# KiCad board traffic_paradise.kicad_pcb
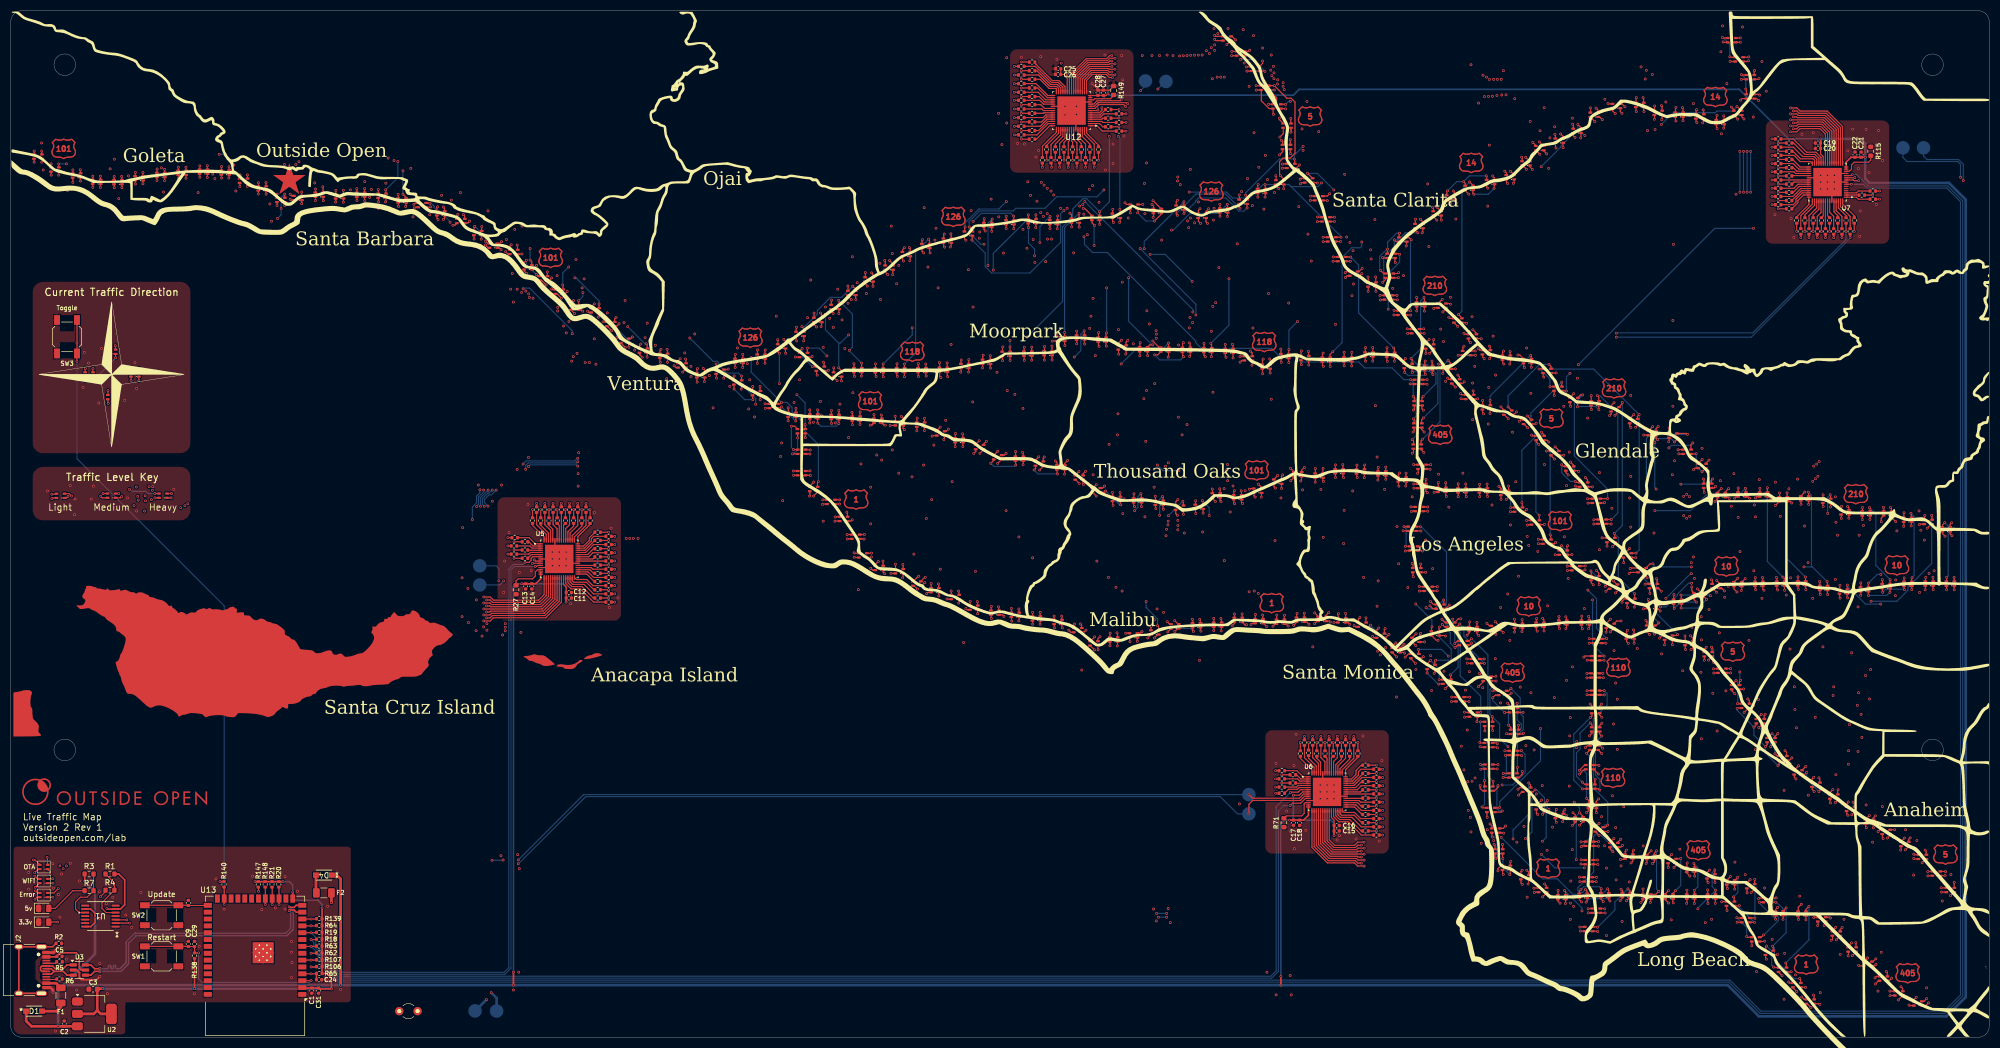
[diagram p0: board, top side]
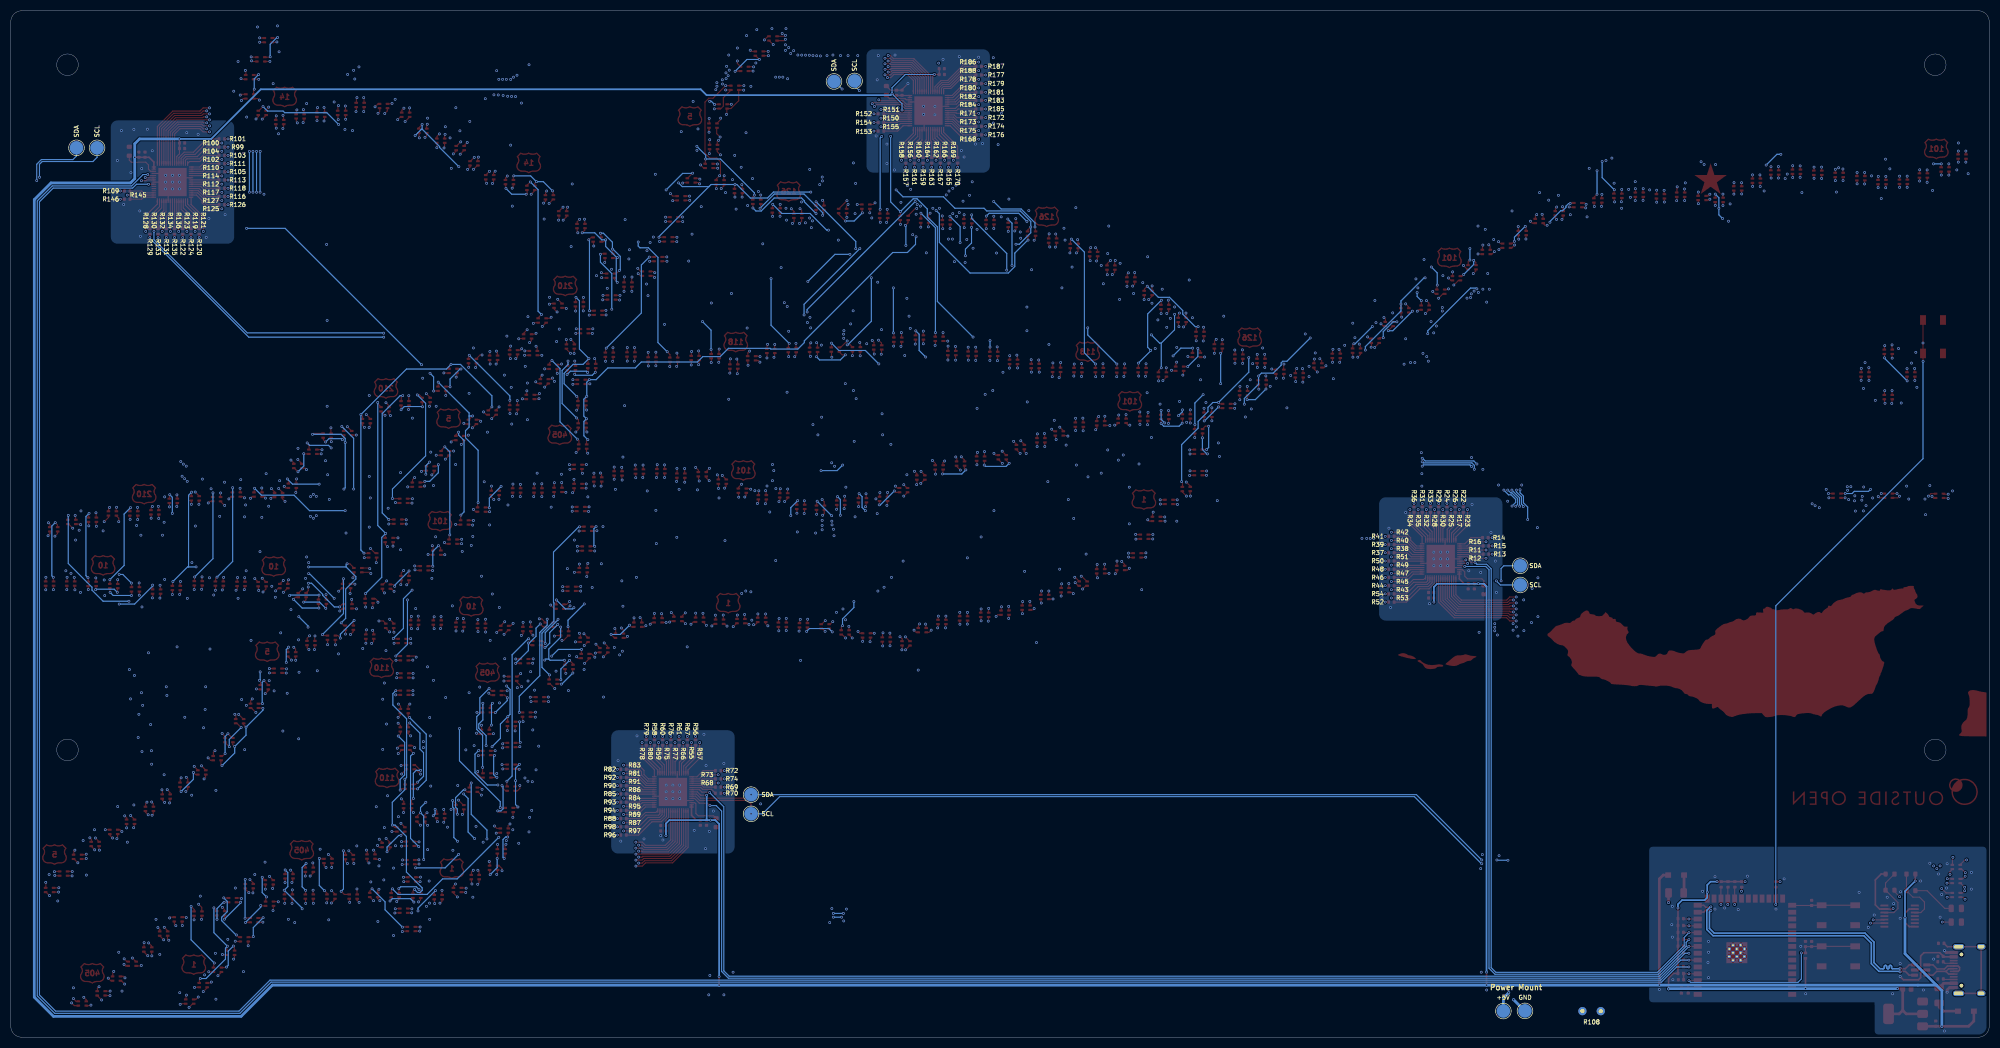
[diagram p1: board, bottom side, seen from below]

Outline 366.5 x 190.25 mm; copper layers: Top, In1.Cu, In2.Cu, Bottom. Coordinates in mm from the lower left corner of the outline.
Outline path: circle c10,180.25 r2 ; circle c10,53.25 r2 ; circle c356,180.25 r2 ; circle c356,53.25 r2 ; 0,188.25 arc(0.59,189.66) 2,190.25 364.5,190.25 arc(365.91,189.66) 366.5,188.25 366.5,2 arc(365.91,0.59) 364.5,0 2,0 arc(0.59,0.59) 0,2 0,188.25
Stack: Top 0.035mm / dielectric 0.1mm FR4 er 4.5 / In1.Cu 0.035mm / dielectric 1.24mm FR4 er 4.5 / In2.Cu 0.035mm / dielectric 0.1mm FR4 er 4.5 / Bottom 0.035mm

## Placement (name value [footprint] x y rotation side)
C1  10uF  [C_0402_1005Metric]  55.75 8.64 270 top
C2  10uF  [C_0402_1005Metric]  9.91 2.52 90 top
C3  22uF  [C_0603_1608Metric]  15.24 8.89 180 top
C5  0.1uF  [C_0402_1005Metric]  9.02 14.99 0 top
C9  0.1uF  [C_0402_1005Metric]  32.89 17.28 270 top
C10  0.1uF  [C_0402_1005Metric]  32.89 24.9 270 top  (not fitted)
C11  1uF  [C_0402_1005Metric]  103.38 81.41 0 top
C12  0.1uF  [C_0402_1005Metric]  103.38 82.43 0 top
C13  1uF  [C_0402_1005Metric]  95.38 83.57 270 top
C14  0.1uF  [C_0402_1005Metric]  96.52 83.57 270 top
C15  1uF  [C_0402_1005Metric]  245.62 38.23 0 top
C16  0.1uF  [C_0402_1005Metric]  245.62 39.25 0 top
C17  1uF  [C_0402_1005Metric]  237.62 39.76 270 top
C18  0.1uF  [C_0402_1005Metric]  238.76 39.76 270 top
C19  1uF  [C_0402_1005Metric]  334.77 165.74 180 top
C20  0.1uF  [C_0402_1005Metric]  334.77 164.72 180 top
C21  1uF  [C_0402_1005Metric]  342.77 163.58 90 top
C22  0.1uF  [C_0402_1005Metric]  341.63 163.58 90 top
C24  0.1uF  [C_0402_1005Metric]  57.1 10.65 180 top
C25  1uF  [C_0402_1005Metric]  194.04 179.52 180 top
C26  1uF  [C_0402_1005Metric]  194.02 178.45 180 top
C27  0.1uF  [C_0402_1005Metric]  202.4 175.05 90 top
C28  0.1uF  [C_0402_1005Metric]  201.4 175.05 90 top
C29  1uF  [C_0402_1005Metric]  34.04 17.28 90 top
C31  0.1uF  [C_0402_1005Metric]  57.02 8.64 270 top
COASTLINE  LOGO  [coast]  182.25 92.21 0 top  (not fitted)
D1  RBR3MM40ATR  [DIO_RB051MM_ROM]  4.32 4.83 0 top
D2  LED  [LED_0805_2012Metric]  6.1 21.34 0 top
D3  LED  [LED_0805_2012Metric]  6.1 23.88 0 top
D4  RBR3MM40ATR  [DIO_RB051MM_ROM]  58 30.05 180 top
F1  3A  [Fuse_1206_3216Metric]  9.27 7.75 270 top
F2  3A  [Fuse_1206_3216Metric]  58 26.75 180 top
G001  LOGO  [oo_logo]  19.3 45.47 0 top
G002  -  [LOGO]  18.67 122.86 0 top
G003  -  [LOGO]  51.6 159.15 0 top
G004  LOGO  [roadmap_silk]  0.13 190.12 0 top  (not fitted)
G11  1  [highway_symbol]  156.6 99.65 0 top
G12  1  [highway_symbol]  233.6 80.45 0 top
G13  1  [highway_symbol]  284.8 31.25 0 top
G14  1  [highway_symbol]  332.6 13.45 0 top
G51  5  [highway_symbol]  240.7 170.65 0 top
G52  5  [highway_symbol]  285.4 114.65 0 top
G53  5  [highway_symbol]  319 71.45 0 top
G54  5  [highway_symbol]  358.4 33.85 0 top
G101  10  [highway_symbol]  281.2 79.85 0 top
G102  10  [highway_symbol]  317.8 87.25 0 top
G103  10  [highway_symbol]  349.4 87.45 0 top
G141  14  [highway_symbol]  270.55 162.05 0 top
G142  14  [highway_symbol]  315.77 174.28 0 top
G1011  101  [highway_symbol]  9.8 164.65 0 top
G1012  101  [highway_symbol]  100 144.45 0 top
G1013  101  [highway_symbol]  159.2 117.85 0 top
G1014  101  [highway_symbol]  230.8 105.05 0 top
G1015  101  [highway_symbol]  287 95.65 0 top
G1101  110  [highway_symbol]  297.8 68.45 0 top
G1102  110  [highway_symbol]  296.8 48.05 0 top
G1181  118  [highway_symbol]  167 127.05 0 top
G1182  118  [highway_symbol]  232.2 128.85 0 top
G1261  126  [highway_symbol]  137 129.65 0 top
G1262  126  [highway_symbol]  174.6 152.05 0 top
G1263  126  [highway_symbol]  222.4 156.75 0 top
G2101  210  [highway_symbol]  263.8 139.25 0 top
G2102  210  [highway_symbol]  297 120.25 0 top
G2103  210  [highway_symbol]  341.8 100.65 0 top
G4051  405  [highway_symbol]  264.8 111.65 0 top
G4052  405  [highway_symbol]  278.2 67.55 0 top
G4053  405  [highway_symbol]  312.6 34.65 0 top
G4054  405  [highway_symbol]  351.4 11.85 0 top
J2  USB C  [USB_C_Receptacle_HRO_TYPE-C-31-M-12]  2.54 12.45 270 top
LED1  LED_ARGB  [LED_RGB_0606]  5.03 163.22 0 top
LED2  LED_ARGB  [LED_RGB_0606]  8.18 160.84 0 top
LED3  LED_ARGB  [LED_RGB_0606]  12.19 159.72 0 top
LED4  LED_ARGB  [LED_RGB_0606]  15.9 158.55 0 top
LED5  LED_ARGB  [LED_RGB_0606]  19.86 158.5 0 top
LED6  LED_ARGB  [LED_RGB_0606]  23.77 159.21 0 top
LED7  LED_ARGB  [LED_RGB_0606]  27.79 159.82 0 top
LED8  LED_ARGB  [LED_RGB_0606]  31.75 160.23 0 top
LED9  LED_ARGB  [LED_RGB_0606]  35.71 160.43 0 top
LED10  LED_ARGB  [LED_RGB_0606]  39.73 160.28 0 top
LED11  LED_ARGB  [LED_RGB_0606]  43.13 158.75 0 top
LED12  LED_ARGB  [LED_RGB_0606]  46.58 157.33 0 top
LED13  LED_ARGB  [LED_RGB_0606]  50.04 155.2 0 top
LED14  LED_ARGB  [LED_RGB_0606]  53.19 155.55 0 top
LED15  LED_ARGB  [LED_RGB_0606]  57.15 156.16 0 top
LED16  LED_ARGB  [LED_RGB_0606]  60.91 155.86 0 top
LED17  LED_ARGB  [LED_RGB_0606]  64.82 156.16 0 top
LED18  LED_ARGB  [LED_RGB_0606]  68.78 155.96 0 top
LED19  LED_ARGB  [LED_RGB_0606]  72.49 155.1 0 top
LED20  LED_ARGB  [LED_RGB_0606]  76.2 154.23 0 top
LED21  LED_ARGB  [LED_RGB_0606]  79.65 152.71 0 top
LED22  LED_ARGB  [LED_RGB_0606]  83.36 151.29 0 top
LED23  LED_ARGB  [LED_RGB_0606]  86.51 149.05 0 top
LED24  LED_ARGB  [LED_RGB_0606]  89.41 146.71 0 top
LED25  LED_ARGB  [LED_RGB_0606]  93.17 145.55 0 top
LED26  LED_ARGB  [LED_RGB_0606]  95.81 142.7 0 top
LED27  LED_ARGB  [LED_RGB_0606]  98.7 140.67 0 top
LED28  LED_ARGB  [LED_RGB_0606]  101.6 138.18 0 top
LED29  LED_ARGB  [LED_RGB_0606]  104.5 135.23 0 top
LED30  LED_ARGB  [LED_RGB_0606]  108.25 134.73 0 top
LED31  LED_ARGB  [LED_RGB_0606]  111.15 132.19 0 top
LED32  LED_ARGB  [LED_RGB_0606]  113.74 129.09 0 top
LED33  LED_ARGB  [LED_RGB_0606]  117.2 127.26 0 top
LED34  LED_ARGB  [LED_RGB_0606]  120.95 126.29 0 top
LED35  LED_ARGB  [LED_RGB_0606]  124.36 124.51 0 top
LED36  LED_ARGB  [LED_RGB_0606]  127.81 122.69 0 top
LED37  LED_ARGB  [LED_RGB_0606]  131.4 123.35 0 top
LED38  LED_ARGB  [LED_RGB_0606]  134.67 121.37 0 top
LED39  LED_ARGB  [LED_RGB_0606]  138.13 119.38 0 top
LED40  LED_ARGB  [LED_RGB_0606]  141.27 117 0 top
LED41  LED_ARGB  [LED_RGB_0606]  144.73 115.37 0 top
LED42  LED_ARGB  [LED_RGB_0606]  148.74 115.07 0 top
LED43  LED_ARGB  [LED_RGB_0606]  152.7 114.96 0 top
LED44  LED_ARGB  [LED_RGB_0606]  156.62 114.66 0 top
LED45  LED_ARGB  [LED_RGB_0606]  160.63 114.25 0 top
LED47  LED_ARGB  [LED_RGB_0606]  146.86 126.45 0 top
LED48  LED_ARGB  [LED_RGB_0606]  149.96 123.91 0 top
LED49  LED_ARGB  [LED_RGB_0606]  153.16 122.84 0 top
LED50  LED_ARGB  [LED_RGB_0606]  156.92 123.65 0 top
LED51  LED_ARGB  [LED_RGB_0606]  160.88 123.6 0 top
LED52  LED_ARGB  [LED_RGB_0606]  164.85 123.65 0 top
LED53  LED_ARGB  [LED_RGB_0606]  168.81 123.65 0 top
LED54  LED_ARGB  [LED_RGB_0606]  172.77 123.7 0 top
LED55  LED_ARGB  [LED_RGB_0606]  146.46 112.32 0 top
LED56  LED_ARGB  [LED_RGB_0606]  146.51 108.51 0 top
LED57  LED_ARGB  [LED_RGB_0606]  146.51 104.55 0 top
LED58  LED_ARGB  [LED_RGB_0606]  148.74 101.6 0 top
LED59  LED_ARGB  [LED_RGB_0606]  151.94 99.22 0 top
LED60  LED_ARGB  [LED_RGB_0606]  154.28 96.07 0 top
LED61  LED_ARGB  [LED_RGB_0606]  156.51 92.76 0 top
LED62  LED_ARGB  [LED_RGB_0606]  157.84 89.31 0 top
LED63  LED_ARGB  [LED_RGB_0606]  160.88 86.97 0 top
LED64  LED_ARGB  [LED_RGB_0606]  176.73 124.41 0 top
LED65  LED_ARGB  [LED_RGB_0606]  180.75 125.18 0 top
LED66  LED_ARGB  [LED_RGB_0606]  184.4 126.65 0 top
LED67  LED_ARGB  [LED_RGB_0606]  188.42 126.7 0 top
LED68  LED_ARGB  [LED_RGB_0606]  192.18 126.8 0 top
LED69  LED_ARGB  [LED_RGB_0606]  194.51 129.44 0 top
LED70  LED_ARGB  [LED_RGB_0606]  198.17 129.7 0 top
LED71  LED_ARGB  [LED_RGB_0606]  202.18 129.29 0 top
LED72  LED_ARGB  [LED_RGB_0606]  205.9 127.85 0 top
LED73  LED_ARGB  [LED_RGB_0606]  164.59 113.8 0 top
LED74  LED_ARGB  [LED_RGB_0606]  168.55 113.54 0 top
LED75  LED_ARGB  [LED_RGB_0606]  172.26 111.92 0 top
LED76  LED_ARGB  [LED_RGB_0606]  175.67 110.65 0 top
LED77  LED_ARGB  [LED_RGB_0606]  179.48 109.38 0 top
LED78  LED_ARGB  [LED_RGB_0606]  182.83 107.5 0 top
LED79  LED_ARGB  [LED_RGB_0606]  186.84 107.24 0 top
LED80  LED_ARGB  [LED_RGB_0606]  190.55 106.33 0 top
LED81  LED_ARGB  [LED_RGB_0606]  194.51 105.62 0 top
LED82  LED_ARGB  [LED_RGB_0606]  164.59 86.36 0 top
LED83  LED_ARGB  [LED_RGB_0606]  167.84 84.08 0 top
LED84  LED_ARGB  [LED_RGB_0606]  171.2 82.86 0 top
LED85  LED_ARGB  [LED_RGB_0606]  174.96 81.59 0 top
LED86  LED_ARGB  [LED_RGB_0606]  178.41 79.61 0 top
LED87  LED_ARGB  [LED_RGB_0606]  182.32 78.69 0 top
LED88  LED_ARGB  [LED_RGB_0606]  186.08 78.29 0 top
LED89  LED_ARGB  [LED_RGB_0606]  189.99 77.63 0 top
LED90  LED_ARGB  [LED_RGB_0606]  194.01 76.97 0 top
LED91  LED_ARGB  [LED_RGB_0606]  209.85 127.51 0 top
LED92  LED_ARGB  [LED_RGB_0606]  213.77 127.46 0 top
LED93  LED_ARGB  [LED_RGB_0606]  217.78 127.41 0 top
LED94  LED_ARGB  [LED_RGB_0606]  221.74 127.36 0 top
LED95  LED_ARGB  [LED_RGB_0606]  225.7 127.21 0 top
LED96  LED_ARGB  [LED_RGB_0606]  229.26 125.84 0 top
LED97  LED_ARGB  [LED_RGB_0606]  232.56 124.31 0 top
LED98  LED_ARGB  [LED_RGB_0606]  236.02 126.24 0 top
LED99  LED_ARGB  [LED_RGB_0606]  239.73 125.89 0 top
LED100  LED_ARGB  [LED_RGB_0606]  197.92 103.74 0 top
LED101  LED_ARGB  [LED_RGB_0606]  201.12 101.4 0 top
LED102  LED_ARGB  [LED_RGB_0606]  204.83 99.78 0 top
LED103  LED_ARGB  [LED_RGB_0606]  208.74 99.52 0 top
LED104  LED_ARGB  [LED_RGB_0606]  212.75 99.06 0 top
LED105  LED_ARGB  [LED_RGB_0606]  216.51 98.15 0 top
LED106  LED_ARGB  [LED_RGB_0606]  220.17 98.3 0 top
LED107  LED_ARGB  [LED_RGB_0606]  223.32 100.44 0 top
LED108  LED_ARGB  [LED_RGB_0606]  227.28 100.08 0 top
LED109  LED_ARGB  [LED_RGB_0606]  197.66 75.44 0 top
LED110  LED_ARGB  [LED_RGB_0606]  200.66 73 0 top
LED111  LED_ARGB  [LED_RGB_0606]  204.32 73.71 0 top
LED112  LED_ARGB  [LED_RGB_0606]  207.98 74.48 0 top
LED113  LED_ARGB  [LED_RGB_0606]  211.94 75.04 0 top
LED114  LED_ARGB  [LED_RGB_0606]  215.65 76.15 0 top
LED115  LED_ARGB  [LED_RGB_0606]  219.66 76.36 0 top
LED116  LED_ARGB  [LED_RGB_0606]  223.57 76.46 0 top
LED117  LED_ARGB  [LED_RGB_0606]  227.4 77.35 0 top
LED118  LED_ARGB  [LED_RGB_0606]  225.3 185.12 0 top
LED119  LED_ARGB  [LED_RGB_0606]  227.84 182.33 0 top
LED120  LED_ARGB  [LED_RGB_0606]  230.58 179.48 0 top
LED121  LED_ARGB  [LED_RGB_0606]  232.36 175.98 0 top
LED122  LED_ARGB  [LED_RGB_0606]  234.54 172.52 0 top
LED123  LED_ARGB  [LED_RGB_0606]  236.42 168.96 0 top
LED124  LED_ARGB  [LED_RGB_0606]  236.32 165 0 top
LED125  LED_ARGB  [LED_RGB_0606]  237.13 161.5 0 top
LED126  LED_ARGB  [LED_RGB_0606]  240.44 158.8 0 top
LED127  LED_ARGB  [LED_RGB_0606]  242.32 155.5 0 top
LED128  LED_ARGB  [LED_RGB_0606]  243.64 151.59 0 top
LED129  LED_ARGB  [LED_RGB_0606]  244.7 147.88 0 top
LED130  LED_ARGB  [LED_RGB_0606]  246.58 144.23 0 top
LED131  LED_ARGB  [LED_RGB_0606]  248.77 141.53 0 top
LED132  LED_ARGB  [LED_RGB_0606]  252.17 139.5 0 top
LED133  LED_ARGB  [LED_RGB_0606]  255.22 137.11 0 top
LED134  LED_ARGB  [LED_RGB_0606]  257.71 134.27 0 top
LED135  LED_ARGB  [LED_RGB_0606]  260.25 130.86 0 top
LED136  LED_ARGB  [LED_RGB_0606]  243.69 125.58 0 top
LED137  LED_ARGB  [LED_RGB_0606]  247.7 125.63 0 top
LED138  LED_ARGB  [LED_RGB_0606]  251.61 126.55 0 top
LED139  LED_ARGB  [LED_RGB_0606]  255.63 126.5 0 top
LED140  LED_ARGB  [LED_RGB_0606]  258.88 124.41 0 top
LED141  LED_ARGB  [LED_RGB_0606]  262.64 124.06 0 top
LED142  LED_ARGB  [LED_RGB_0606]  266.04 124.26 0 top
LED143  LED_ARGB  [LED_RGB_0606]  269.7 126.8 0 top
LED144  LED_ARGB  [LED_RGB_0606]  262.84 128.02 0 top
LED145  LED_ARGB  [LED_RGB_0606]  230.99 101.3 0 top
LED146  LED_ARGB  [LED_RGB_0606]  234.7 102.98 0 top
LED147  LED_ARGB  [LED_RGB_0606]  238.4 104.35 0 top
LED148  LED_ARGB  [LED_RGB_0606]  242.37 104.09 0 top
LED149  LED_ARGB  [LED_RGB_0606]  246.08 104.91 0 top
LED150  LED_ARGB  [LED_RGB_0606]  250.04 104.86 0 top
LED151  LED_ARGB  [LED_RGB_0606]  254 104.5 0 top
LED152  LED_ARGB  [LED_RGB_0606]  257.76 103.38 0 top
LED153  LED_ARGB  [LED_RGB_0606]  261.42 102.16 0 top
LED154  LED_ARGB  [LED_RGB_0606]  231.24 77.12 0 top
LED155  LED_ARGB  [LED_RGB_0606]  235.2 77.02 0 top
LED156  LED_ARGB  [LED_RGB_0606]  238.91 77.37 0 top
LED157  LED_ARGB  [LED_RGB_0606]  242.93 77.52 0 top
LED158  LED_ARGB  [LED_RGB_0606]  246.58 77.27 0 top
LED159  LED_ARGB  [LED_RGB_0606]  250.34 76.46 0 top
LED160  LED_ARGB  [LED_RGB_0606]  253.75 74.43 0 top
LED161  LED_ARGB  [LED_RGB_0606]  256.64 71.73 0 top
LED162  LED_ARGB  [LED_RGB_0606]  260.1 70.65 0 top
LED163  LED_ARGB  [LED_RGB_0606]  261.16 135.84 0 top
LED164  LED_ARGB  [LED_RGB_0606]  265.13 135.59 0 top
LED165  LED_ARGB  [LED_RGB_0606]  268.07 132.85 0 top
LED166  LED_ARGB  [LED_RGB_0606]  270.76 129.9 0 top
LED167  LED_ARGB  [LED_RGB_0606]  273.35 126.95 0 top
LED168  LED_ARGB  [LED_RGB_0606]  277.06 125.94 0 top
LED169  LED_ARGB  [LED_RGB_0606]  280.97 125.33 0 top
LED170  LED_ARGB  [LED_RGB_0606]  284.58 123.5 0 top
LED171  LED_ARGB  [LED_RGB_0606]  286.61 120.2 0 top
LED172  LED_ARGB  [LED_RGB_0606]  260.81 121.47 0 top
LED173  LED_ARGB  [LED_RGB_0606]  260.71 117.5 0 top
LED174  LED_ARGB  [LED_RGB_0606]  260.65 113.39 0 top
LED175  LED_ARGB  [LED_RGB_0606]  260.55 109.48 0 top
LED176  LED_ARGB  [LED_RGB_0606]  261.42 105.72 0 top
LED177  LED_ARGB  [LED_RGB_0606]  260.91 97.9 0 top
LED178  LED_ARGB  [LED_RGB_0606]  259.59 94.24 0 top
LED179  LED_ARGB  [LED_RGB_0606]  259.89 90.58 0 top
LED180  LED_ARGB  [LED_RGB_0606]  260.45 86.57 0 top
LED181  LED_ARGB  [LED_RGB_0606]  262.59 83.11 0 top
LED182  LED_ARGB  [LED_RGB_0606]  264.77 79.81 0 top
LED183  LED_ARGB  [LED_RGB_0606]  266.75 76.46 0 top
LED184  LED_ARGB  [LED_RGB_0606]  269.09 73.05 0 top
LED185  LED_ARGB  [LED_RGB_0606]  271.37 69.7 0 top
LED186  LED_ARGB  [LED_RGB_0606]  273.51 66.45 0 top
LED187  LED_ARGB  [LED_RGB_0606]  276.35 63.81 0 top
LED188  LED_ARGB  [LED_RGB_0606]  278.38 60.61 0 top
LED189  LED_ARGB  [LED_RGB_0606]  278.59 56.6 0 top
LED190  LED_ARGB  [LED_RGB_0606]  263.09 68.63 0 top
LED191  LED_ARGB  [LED_RGB_0606]  266.04 65.89 0 top
LED192  LED_ARGB  [LED_RGB_0606]  268.48 62.64 0 top
LED193  LED_ARGB  [LED_RGB_0606]  270.97 59.8 0 top
LED194  LED_ARGB  [LED_RGB_0606]  273.76 58.07 0 top
LED195  LED_ARGB  [LED_RGB_0606]  273.76 54.16 0 top
LED196  LED_ARGB  [LED_RGB_0606]  273.81 50.14 0 top
LED197  LED_ARGB  [LED_RGB_0606]  273.81 46.08 0 top
LED198  LED_ARGB  [LED_RGB_0606]  274.17 42.12 0 top
LED199  LED_ARGB  [LED_RGB_0606]  275.08 38.31 0 top
LED200  LED_ARGB  [LED_RGB_0606]  275.64 34.45 0 top
LED201  LED_ARGB  [LED_RGB_0606]  277.06 31.4 0 top
LED202  LED_ARGB  [LED_RGB_0606]  280.47 29.67 0 top
LED203  LED_ARGB  [LED_RGB_0606]  283.77 27.28 0 top
LED204  LED_ARGB  [LED_RGB_0606]  287.32 25.96 0 top
LED205  LED_ARGB  [LED_RGB_0606]  291.29 26.22 0 top
LED206  LED_ARGB  [LED_RGB_0606]  295.3 26.32 0 top
LED207  LED_ARGB  [LED_RGB_0606]  299.26 26.37 0 top
LED208  LED_ARGB  [LED_RGB_0606]  278.33 52.68 0 top
LED209  LED_ARGB  [LED_RGB_0606]  278.28 48.52 0 top
LED210  LED_ARGB  [LED_RGB_0606]  280.82 45.88 0 top
LED211  LED_ARGB  [LED_RGB_0606]  283.31 42.63 0 top
LED212  LED_ARGB  [LED_RGB_0606]  286.87 41 0 top
LED213  LED_ARGB  [LED_RGB_0606]  290.53 40.39 0 top
LED214  LED_ARGB  [LED_RGB_0606]  294.23 38.51 0 top
LED215  LED_ARGB  [LED_RGB_0606]  296.98 35.61 0 top
LED216  LED_ARGB  [LED_RGB_0606]  299.77 33.48 0 top
LED217  LED_ARGB  [LED_RGB_0606]  303.78 33.38 0 top
LED218  LED_ARGB  [LED_RGB_0606]  307.75 32.67 0 top
LED219  LED_ARGB  [LED_RGB_0606]  311.2 31.04 0 top
LED220  LED_ARGB  [LED_RGB_0606]  314.96 29.82 0 top
LED221  LED_ARGB  [LED_RGB_0606]  318.62 28.71 0 top
LED222  LED_ARGB  [LED_RGB_0606]  322.33 27.99 0 top
LED223  LED_ARGB  [LED_RGB_0606]  325.42 25.4 0 top
LED224  LED_ARGB  [LED_RGB_0606]  327.61 22.97 0 top
LED225  LED_ARGB  [LED_RGB_0606]  331.83 22.91 0 top
LED226  LED_ARGB  [LED_RGB_0606]  303.07 26.06 0 top
LED227  LED_ARGB  [LED_RGB_0606]  307.19 26.06 0 top
LED228  LED_ARGB  [LED_RGB_0606]  311.2 26.06 0 top
LED229  LED_ARGB  [LED_RGB_0606]  315.06 26.06 0 top
LED230  LED_ARGB  [LED_RGB_0606]  318.57 24.74 0 top
LED231  LED_ARGB  [LED_RGB_0606]  321.41 21.7 0 top
LED232  LED_ARGB  [LED_RGB_0606]  323.24 18.14 0 top
LED233  LED_ARGB  [LED_RGB_0606]  325.78 15.65 0 top
LED234  LED_ARGB  [LED_RGB_0606]  328.22 12.5 0 top
LED235  LED_ARGB  [LED_RGB_0606]  267.67 121.57 0 top
LED236  LED_ARGB  [LED_RGB_0606]  270.26 118.67 0 top
LED237  LED_ARGB  [LED_RGB_0606]  273.35 116.74 0 top
LED238  LED_ARGB  [LED_RGB_0606]  277.32 115.78 0 top
LED239  LED_ARGB  [LED_RGB_0606]  280.97 114.05 0 top
LED240  LED_ARGB  [LED_RGB_0606]  283.31 111.05 0 top
LED241  LED_ARGB  [LED_RGB_0606]  286.05 108.26 0 top
LED242  LED_ARGB  [LED_RGB_0606]  288.8 105.41 0 top
LED243  LED_ARGB  [LED_RGB_0606]  291.39 102.42 0 top
LED244  LED_ARGB  [LED_RGB_0606]  265.13 101.45 0 top
LED245  LED_ARGB  [LED_RGB_0606]  268.83 101.35 0 top
LED246  LED_ARGB  [LED_RGB_0606]  272.8 101.35 0 top
LED247  LED_ARGB  [LED_RGB_0606]  276.76 100.89 0 top
LED248  LED_ARGB  [LED_RGB_0606]  279.3 97.79 0 top
LED249  LED_ARGB  [LED_RGB_0606]  282.45 95.41 0 top
LED250  LED_ARGB  [LED_RGB_0606]  284.58 91.85 0 top
LED251  LED_ARGB  [LED_RGB_0606]  287.58 89.82 0 top
LED252  LED_ARGB  [LED_RGB_0606]  289.92 86.92 0 top
LED253  LED_ARGB  [LED_RGB_0606]  289.56 118.11 0 top
LED254  LED_ARGB  [LED_RGB_0606]  293.47 117.5 0 top
LED255  LED_ARGB  [LED_RGB_0606]  297.18 116.39 0 top
LED256  LED_ARGB  [LED_RGB_0606]  300.63 114.2 0 top
LED257  LED_ARGB  [LED_RGB_0606]  304.09 111.97 0 top
LED258  LED_ARGB  [LED_RGB_0606]  307.9 111.51 0 top
LED259  LED_ARGB  [LED_RGB_0606]  310.54 108.51 0 top
LED260  LED_ARGB  [LED_RGB_0606]  313.33 105.87 0 top
LED261  LED_ARGB  [LED_RGB_0606]  314.35 102.21 0 top
LED262  LED_ARGB  [LED_RGB_0606]  293.73 99.42 0 top
LED263  LED_ARGB  [LED_RGB_0606]  294.79 95.56 0 top
LED264  LED_ARGB  [LED_RGB_0606]  296.42 92.16 0 top
LED265  LED_ARGB  [LED_RGB_0606]  299.47 89.31 0 top
LED266  LED_ARGB  [LED_RGB_0606]  302.21 86.57 0 top
LED267  LED_ARGB  [LED_RGB_0606]  304.29 83.62 0 top
LED268  LED_ARGB  [LED_RGB_0606]  308.76 80.73 0 top
LED269  LED_ARGB  [LED_RGB_0606]  312.52 81.94 0 top
LED270  LED_ARGB  [LED_RGB_0606]  315.93 83.62 0 top
LED271  LED_ARGB  [LED_RGB_0606]  293.47 85.09 0 top
LED272  LED_ARGB  [LED_RGB_0606]  296.93 83.52 0 top
LED273  LED_ARGB  [LED_RGB_0606]  300.13 80.88 0 top
LED274  LED_ARGB  [LED_RGB_0606]  304.04 79.86 0 top
LED275  LED_ARGB  [LED_RGB_0606]  303.78 75.9 0 top
LED276  LED_ARGB  [LED_RGB_0606]  307.1 74.05 0 top
LED277  LED_ARGB  [LED_RGB_0606]  310.9 73.05 0 top
LED278  LED_ARGB  [LED_RGB_0606]  314.45 70.97 0 top
LED279  LED_ARGB  [LED_RGB_0606]  316.99 67.92 0 top
LED280  LED_ARGB  [LED_RGB_0606]  316.89 100.49 0 top
LED281  LED_ARGB  [LED_RGB_0606]  320.7 100.59 0 top
LED282  LED_ARGB  [LED_RGB_0606]  324.71 100.59 0 top
LED283  LED_ARGB  [LED_RGB_0606]  328.37 99.72 0 top
LED284  LED_ARGB  [LED_RGB_0606]  332.33 99.88 0 top
LED285  LED_ARGB  [LED_RGB_0606]  336.4 99.42 0 top
LED286  LED_ARGB  [LED_RGB_0606]  339.8 97.29 0 top
LED287  LED_ARGB  [LED_RGB_0606]  343.71 97.08 0 top
LED288  LED_ARGB  [LED_RGB_0606]  347.68 97.08 0 top
LED289  LED_ARGB  [LED_RGB_0606]  319.94 83.98 0 top
LED290  LED_ARGB  [LED_RGB_0606]  323.85 84.03 0 top
LED291  LED_ARGB  [LED_RGB_0606]  327.86 84.08 0 top
LED292  LED_ARGB  [LED_RGB_0606]  331.77 84.13 0 top
LED293  LED_ARGB  [LED_RGB_0606]  335.84 83.27 0 top
LED294  LED_ARGB  [LED_RGB_0606]  339.5 82.6 0 top
LED295  LED_ARGB  [LED_RGB_0606]  343.41 83.01 0 top
LED296  LED_ARGB  [LED_RGB_0606]  347.42 83.62 0 top
LED297  LED_ARGB  [LED_RGB_0606]  351.43 84.03 0 top
LED298  LED_ARGB  [LED_RGB_0606]  319.53 64.88 0 top
LED299  LED_ARGB  [LED_RGB_0606]  321.36 61.42 0 top
LED300  LED_ARGB  [LED_RGB_0606]  324.1 58.58 0 top
LED301  LED_ARGB  [LED_RGB_0606]  326.09 55.07 0 top
LED302  LED_ARGB  [LED_RGB_0606]  328.27 51.72 0 top
LED303  LED_ARGB  [LED_RGB_0606]  331.11 49.08 0 top
LED304  LED_ARGB  [LED_RGB_0606]  334.42 46.79 0 top
LED305  LED_ARGB  [LED_RGB_0606]  337.72 44.61 0 top
LED306  LED_ARGB  [LED_RGB_0606]  340.82 42.32 0 top
LED307  LED_ARGB  [LED_RGB_0606]  354.13 33.43 0 top
LED308  LED_ARGB  [LED_RGB_0606]  350.88 35.82 0 top
LED309  LED_ARGB  [LED_RGB_0606]  347.42 38.05 0 top
LED310  LED_ARGB  [LED_RGB_0606]  344.32 39.93 0 top
LED311  LED_ARGB  [LED_RGB_0606]  359.31 84.08 0 top
LED312  LED_ARGB  [LED_RGB_0606]  355.4 84.08 0 top
LED313  LED_ARGB  [LED_RGB_0606]  358.55 94.14 0 top
LED314  LED_ARGB  [LED_RGB_0606]  355.19 95.51 0 top
LED315  LED_ARGB  [LED_RGB_0606]  351.38 95.91 0 top
LED316  LED_ARGB  [LED_RGB_0606]  356.72 30.33 0 top
LED317  LED_ARGB  [LED_RGB_0606]  359.31 27.28 0 top
LED318  LED_ARGB  [LED_RGB_0606]  353.26 6.25 0 top
LED319  LED_ARGB  [LED_RGB_0606]  349.76 8.13 0 top